# Altium PCB 滑板车模块 - 拼板.PcbDoc (part 8 of 8)
Units mm, origin at the board's own origin, x right, y up, seen from the top; angles counter-clockwise.
Board outline 16 x 13 mm, 2 copper layers (Top Layer, Bottom Layer); 420 components, 26 nets, 2088 pads, 620 vias.
Unrouted connection lines stored in the file: 114.
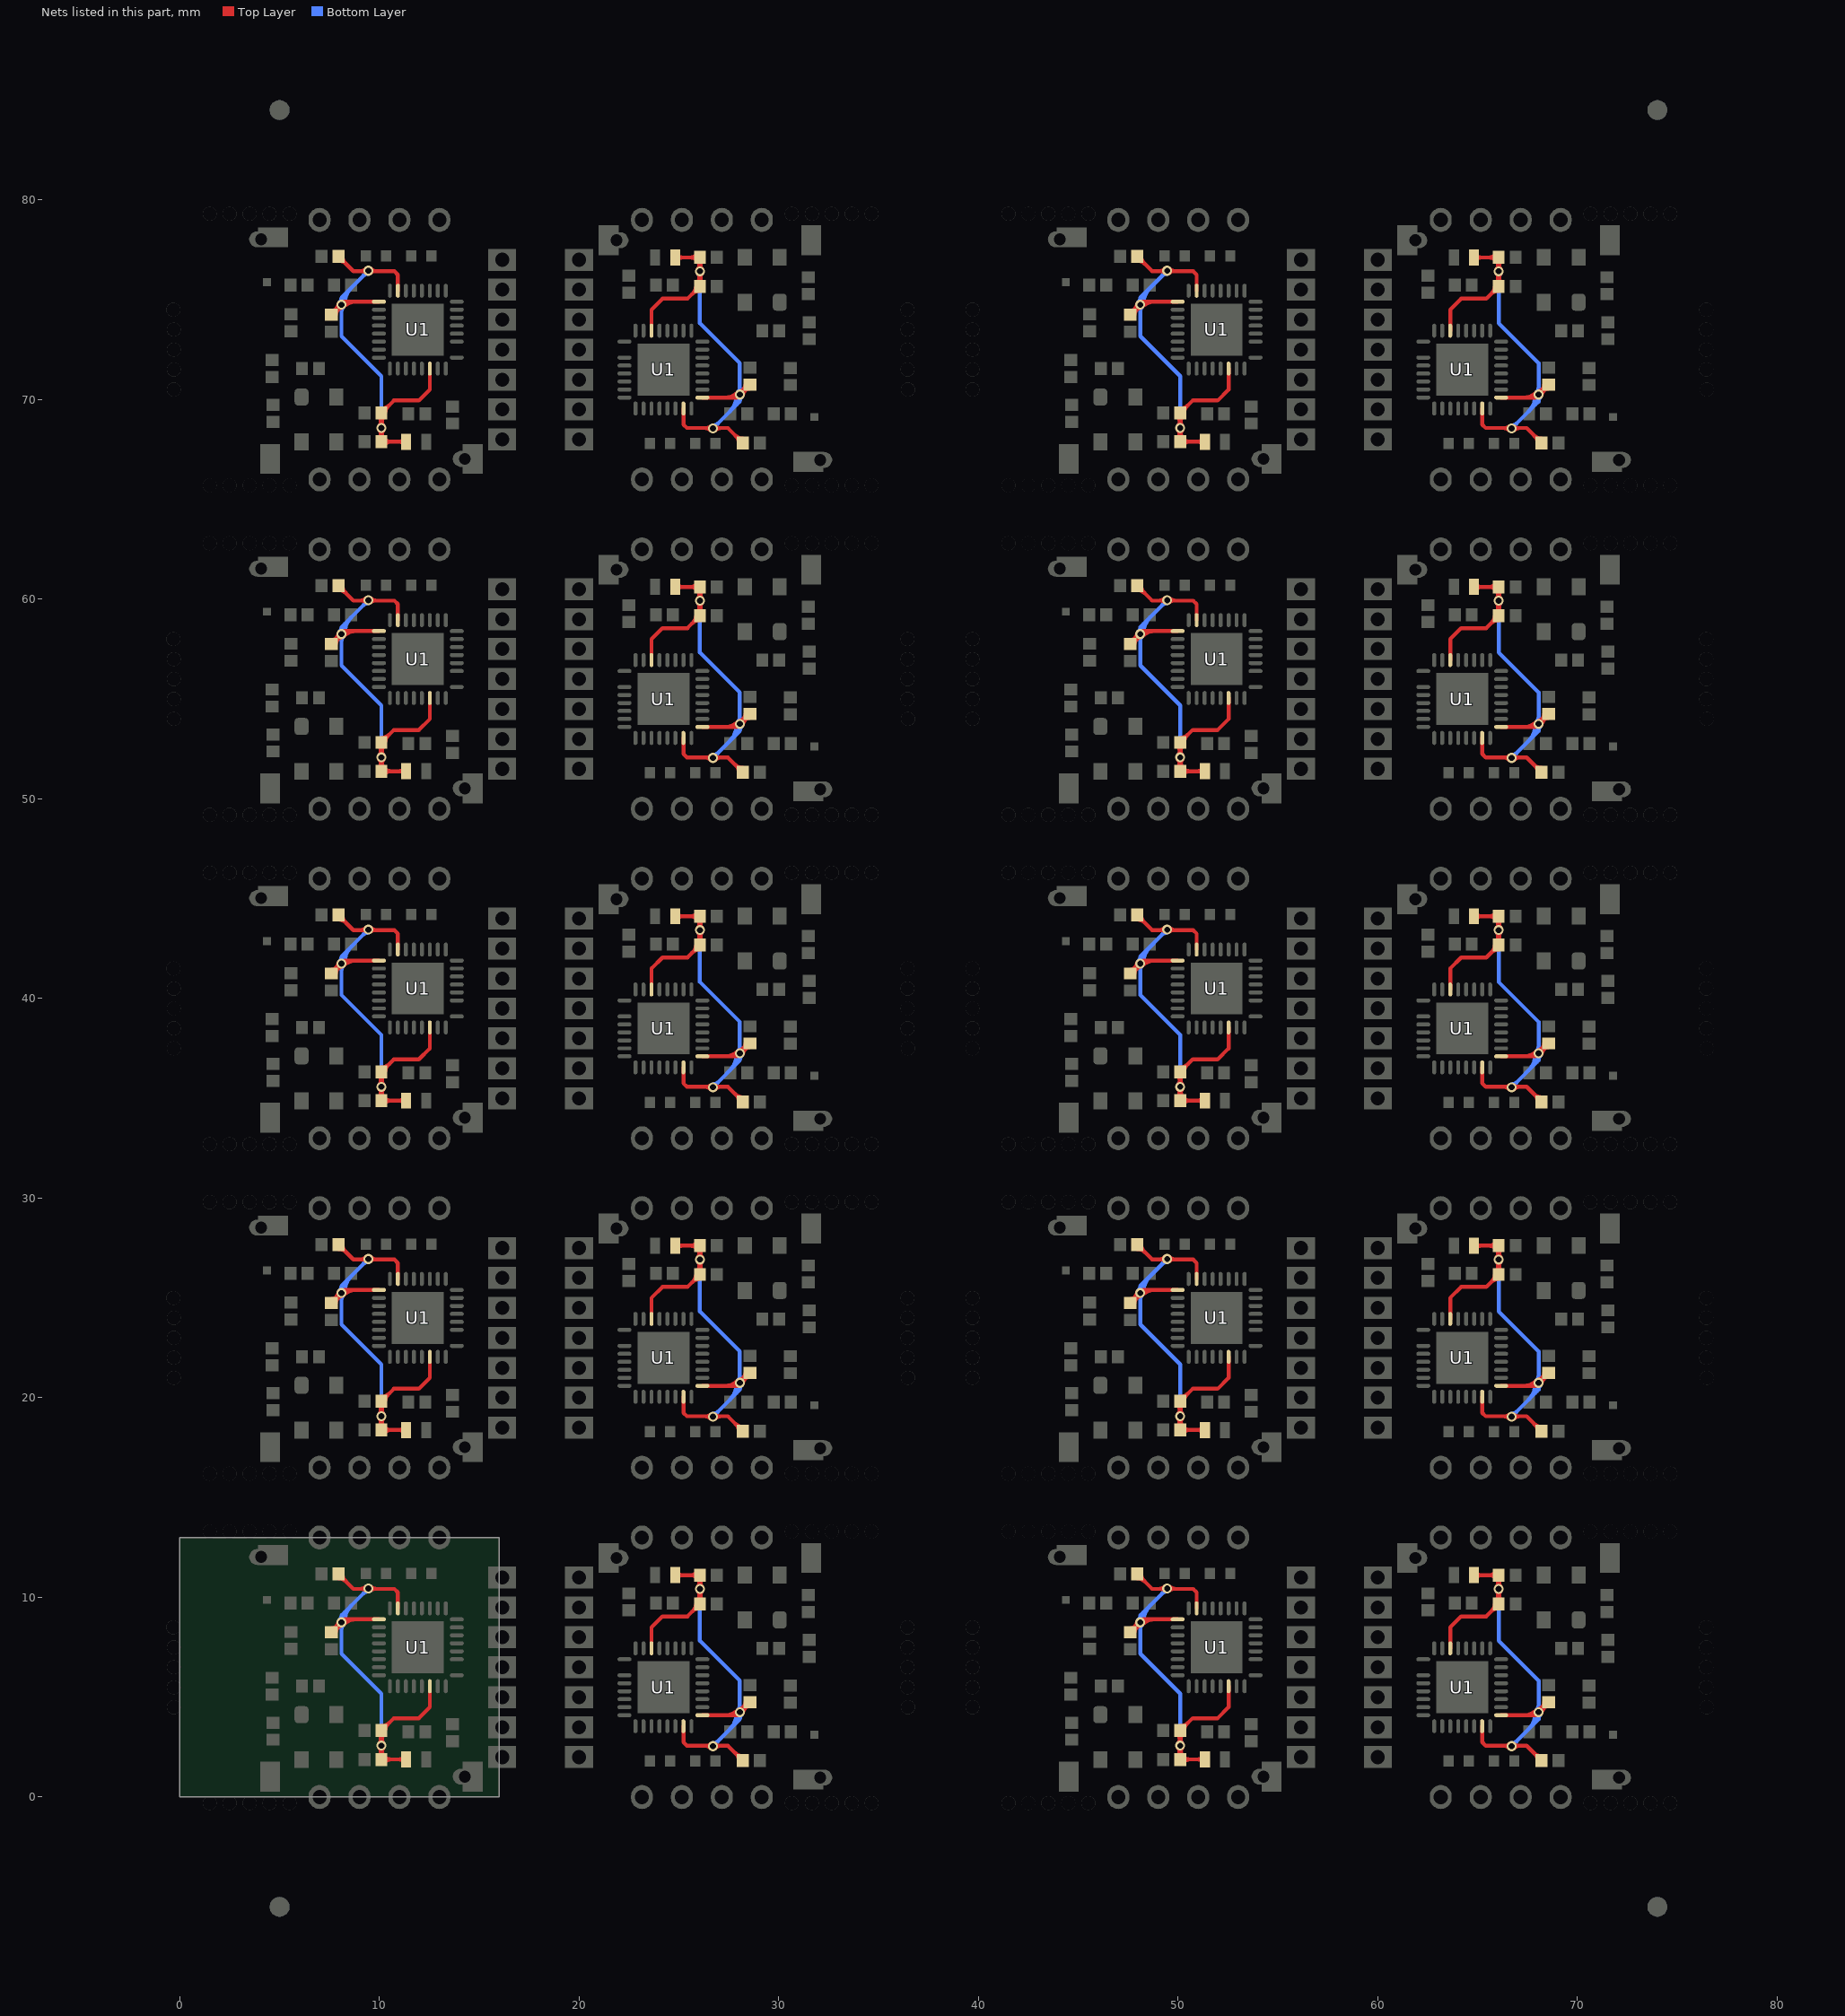
[diagram p8: the nets of this part, all layers, seen from the top]

## Via types
v1: diameter 0.5, hole 0.3, Top Layer to Bottom Layer, tented both sides, 620 vias

## Nets (pads, with @x,y where several pads share a name; then routed paths per layer and width w, separated by ;. In a path a pad name is that pad's centre, name@x,y a point inside that pad or via, vN(x,y) a via of type N, cw(c..) or ccw(c..) an arc to the next point about the centre after c; other vN are vias at no path point) (continued)
VD1V5: (continued)
  Bottom Layer w0.2: v1@7.994,8.644 cw(c7.738,8.388) 8.1,8.388 cw(c8.462,8.388) v1@8.206,8.644 ; v1@7.994,25.144 cw(c7.738,24.888) 8.1,24.888 cw(c8.462,24.888) v1@8.206,25.144 ; v1@7.994,41.644 cw(c7.738,41.388) 8.1,41.388 cw(c8.462,41.388) v1@8.206,41.644 ; v1@7.994,58.144 cw(c7.738,57.888) 8.1,57.888 cw(c8.462,57.888) v1@8.206,58.144 ; v1@7.994,74.644 cw(c7.738,74.388) 8.1,74.388 cw(c8.462,74.388) v1@8.206,74.644 ; v1@7.997,8.859 ccw(c7.767,9.1) 8.1,9.1 ; v1@7.997,25.359 ccw(c7.767,25.6) 8.1,25.6 ; v1@7.997,41.859 ccw(c7.767,42.1) 8.1,42.1 ; v1@7.997,58.359 ccw(c7.767,58.6) 8.1,58.6 ; v1@7.997,74.859 ccw(c7.767,75.1) 8.1,75.1 ; v1@8.05,8.75 cw(c8.774,8.75) 8.262,9.262 ; v1@8.05,25.25 cw(c8.774,25.25) 8.262,25.762 ; v1@8.05,41.75 cw(c8.774,41.75) 8.262,42.262 ; v1@8.05,58.25 cw(c8.774,58.25) 8.262,58.762 ; v1@8.05,74.75 cw(c8.774,74.75) 8.262,75.262 ; v1@8.203,8.859 cw(c8.433,9.1) 8.1,9.1 ; v1@8.203,25.359 cw(c8.433,25.6) 8.1,25.6 ; v1@8.203,41.859 cw(c8.433,42.1) 8.1,42.1 ; v1@8.203,58.359 cw(c8.433,58.6) 8.1,58.6 ; v1@8.203,74.859 cw(c8.433,75.1) 8.1,75.1 ; v1@8.25,8.75 cw(c9.457,8.75) 8.604,9.604 ; v1@8.25,25.25 cw(c9.457,25.25) 8.604,26.104 ; v1@8.25,41.75 cw(c9.457,41.75) 8.604,42.604 ; v1@8.25,58.25 cw(c9.457,58.25) 8.604,59.104 ; v1@8.25,74.75 cw(c9.457,74.75) 8.604,75.604 ; v1@9.3,10.45 cw(c8.938,10.45) 9.194,10.194 cw(c9.45,9.938) v1@9.45,10.3 ; v1@9.3,26.95 cw(c8.938,26.95) 9.194,26.694 cw(c9.45,26.438) v1@9.45,26.8 ; v1@9.3,43.45 cw(c8.938,43.45) 9.194,43.194 cw(c9.45,42.938) v1@9.45,43.3 ; v1@9.3,59.95 cw(c8.938,59.95) 9.194,59.694 cw(c9.45,59.438) v1@9.45,59.8 ; v1@9.3,76.45 cw(c8.938,76.45) 9.194,76.194 cw(c9.45,75.938) v1@9.45,76.3 ; v1(9.45,10.45) 8.1,9.1 ; v1(9.45,26.95) 8.1,25.6 ; v1(9.45,43.45) 8.1,42.1 ; v1(9.45,59.95) 8.1,58.6 ; v1(9.45,76.45) 8.1,75.1 ; v1@9.994,2.681 ccw(c9.738,2.937) 10.1,2.937 ccw(c10.462,2.937) v1@10.206,2.681 ; v1@9.994,19.181 ccw(c9.738,19.437) 10.1,19.437 ccw(c10.462,19.437) v1@10.206,19.181 ; v1@9.994,35.681 ccw(c9.738,35.937) 10.1,35.937 ccw(c10.462,35.937) v1@10.206,35.681 ; v1@9.994,52.181 ccw(c9.738,52.437) 10.1,52.437 ccw(c10.462,52.437) v1@10.206,52.181 ; v1@9.994,68.681 ccw(c9.738,68.937) 10.1,68.937 ccw(c10.462,68.937) v1@10.206,68.681 ; v1(10.1,2.575) 10.1,5.175 8.1,7.175 v1(8.1,8.75) 8.1,9.1 ; v1(10.1,19.075) 10.1,21.675 8.1,23.675 v1(8.1,25.25) 8.1,25.6 ; v1(10.1,35.575) 10.1,38.175 8.1,40.175 v1(8.1,41.75) 8.1,42.1 ; v1(10.1,52.075) 10.1,54.675 8.1,56.675 v1(8.1,58.25) 8.1,58.6 ; v1(10.1,68.575) 10.1,71.175 8.1,73.175 v1(8.1,74.75) 8.1,75.1 ; v1@25.944,10.319 cw(c25.688,10.063) 26.05,10.063 cw(c26.412,10.063) v1@26.156,10.319 ; v1@25.944,26.819 cw(c25.688,26.563) 26.05,26.563 cw(c26.412,26.563) v1@26.156,26.819 ; v1@25.944,43.319 cw(c25.688,43.063) 26.05,43.063 cw(c26.412,43.063) v1@26.156,43.319 ; v1@25.944,59.819 cw(c25.688,59.563) 26.05,59.563 cw(c26.412,59.563) v1@26.156,59.819 ; v1@25.944,76.319 cw(c25.688,76.063) 26.05,76.063 cw(c26.412,76.063) v1@26.156,76.319 ; v1(26.05,10.425) 26.05,7.825 28.05,5.825 v1(28.05,4.25) 28.05,3.9 ; v1(26.05,26.925) 26.05,24.325 28.05,22.325 v1(28.05,20.75) 28.05,20.4 ; v1(26.05,43.425) 26.05,40.825 28.05,38.825 v1(28.05,37.25) 28.05,36.9 ; v1(26.05,59.925) 26.05,57.325 28.05,55.325 v1(28.05,53.75) 28.05,53.4 ; v1(26.05,76.425) 26.05,73.825 28.05,71.825 v1(28.05,70.25) 28.05,69.9 ; v1(26.7,2.55) 28.05,3.9 ; v1@26.7,2.7 ccw(c26.7,3.062) 26.956,2.806 ccw(c27.212,2.55) v1@26.85,2.55 ; v1(26.7,19.05) 28.05,20.4 ; v1@26.7,19.2 ccw(c26.7,19.562) 26.956,19.306 ccw(c27.212,19.05) v1@26.85,19.05 ; v1(26.7,35.55) 28.05,36.9 ; v1@26.7,35.7 ccw(c26.7,36.062) 26.956,35.806 ccw(c27.212,35.55) v1@26.85,35.55 ; v1(26.7,52.05) 28.05,53.4 ; v1@26.7,52.2 ccw(c26.7,52.562) 26.956,52.306 ccw(c27.212,52.05) v1@26.85,52.05 ; v1(26.7,68.55) 28.05,69.9 ; v1@26.7,68.7 ccw(c26.7,69.062) 26.956,68.806 ccw(c27.212,68.55) v1@26.85,68.55 ; 27.546,3.396 ccw(c26.693,4.25) v1@27.9,4.25 ; 27.546,19.896 ccw(c26.693,20.75) v1@27.9,20.75 ; 27.546,36.396 ccw(c26.693,37.25) v1@27.9,37.25 ; 27.546,52.896 ccw(c26.693,53.75) v1@27.9,53.75 ; 27.546,69.396 ccw(c26.693,70.25) v1@27.9,70.25 ; 27.888,3.738 ccw(c27.376,4.25) v1@28.1,4.25 ; 27.888,20.238 ccw(c27.376,20.75) v1@28.1,20.75 ; 27.888,36.738 ccw(c27.376,37.25) v1@28.1,37.25 ; 27.888,53.238 ccw(c27.376,53.75) v1@28.1,53.75 ; 27.888,69.738 ccw(c27.376,70.25) v1@28.1,70.25 ; v1@27.944,4.356 ccw(c27.688,4.612) 28.05,4.612 ccw(c28.412,4.612) v1@28.156,4.356 ; v1@27.944,20.856 ccw(c27.688,21.112) 28.05,21.112 ccw(c28.412,21.112) v1@28.156,20.856 ; v1@27.944,37.356 ccw(c27.688,37.612) 28.05,37.612 ccw(c28.412,37.612) v1@28.156,37.356 ; v1@27.944,53.856 ccw(c27.688,54.112) 28.05,54.112 ccw(c28.412,54.112) v1@28.156,53.856 ; v1@27.944,70.356 ccw(c27.688,70.612) 28.05,70.612 ccw(c28.412,70.612) v1@28.156,70.356 ; v1@27.947,4.141 cw(c27.717,3.9) 28.05,3.9 ; v1@27.947,20.641 cw(c27.717,20.4) 28.05,20.4 ; v1@27.947,37.141 cw(c27.717,36.9) 28.05,36.9 ; v1@27.947,53.641 cw(c27.717,53.4) 28.05,53.4 ; v1@27.947,70.141 cw(c27.717,69.9) 28.05,69.9 ; v1@28.153,4.141 ccw(c28.383,3.9) 28.05,3.9 ; v1@28.153,20.641 ccw(c28.383,20.4) 28.05,20.4 ; v1@28.153,37.141 ccw(c28.383,36.9) 28.05,36.9 ; v1@28.153,53.641 ccw(c28.383,53.4) 28.05,53.4 ; v1@28.153,70.141 ccw(c28.383,69.9) 28.05,69.9 ; v1@47.994,8.644 cw(c47.738,8.388) 48.1,8.388 cw(c48.462,8.388) v1@48.206,8.644 ; v1@47.994,25.144 cw(c47.738,24.888) 48.1,24.888 cw(c48.462,24.888) v1@48.206,25.144 ; v1@47.994,41.644 cw(c47.738,41.388) 48.1,41.388 cw(c48.462,41.388) v1@48.206,41.644 ; v1@47.994,58.144 cw(c47.738,57.888) 48.1,57.888 cw(c48.462,57.888) v1@48.206,58.144 ; v1@47.994,74.644 cw(c47.738,74.388) 48.1,74.388 cw(c48.462,74.388) v1@48.206,74.644 ; v1@47.997,8.859 ccw(c47.767,9.1) 48.1,9.1 ; v1@47.997,25.359 ccw(c47.767,25.6) 48.1,25.6 ; v1@47.997,41.859 ccw(c47.767,42.1) 48.1,42.1 ; v1@47.997,58.359 ccw(c47.767,58.6) 48.1,58.6 ; v1@47.997,74.859 ccw(c47.767,75.1) 48.1,75.1 ; v1@48.05,8.75 cw(c48.774,8.75) 48.262,9.262 ; v1@48.05,25.25 cw(c48.774,25.25) 48.262,25.762 ; v1@48.05,41.75 cw(c48.774,41.75) 48.262,42.262 ; v1@48.05,58.25 cw(c48.774,58.25) 48.262,58.762 ; v1@48.05,74.75 cw(c48.774,74.75) 48.262,75.262 ; v1@48.203,8.859 cw(c48.433,9.1) 48.1,9.1 ; v1@48.203,25.359 cw(c48.433,25.6) 48.1,25.6 ; v1@48.203,41.859 cw(c48.433,42.1) 48.1,42.1 ; v1@48.203,58.359 cw(c48.433,58.6) 48.1,58.6 ; v1@48.203,74.859 cw(c48.433,75.1) 48.1,75.1 ; v1@48.25,8.75 cw(c49.457,8.75) 48.604,9.604 ; v1@48.25,25.25 cw(c49.457,25.25) 48.604,26.104 ; v1@48.25,41.75 cw(c49.457,41.75) 48.604,42.604 ; v1@48.25,58.25 cw(c49.457,58.25) 48.604,59.104 ; v1@48.25,74.75 cw(c49.457,74.75) 48.604,75.604 ; v1@49.3,10.45 cw(c48.938,10.45) 49.194,10.194 cw(c49.45,9.938) v1@49.45,10.3 ; v1@49.3,26.95 cw(c48.938,26.95) 49.194,26.694 cw(c49.45,26.438) v1@49.45,26.8 ; v1@49.3,43.45 cw(c48.938,43.45) 49.194,43.194 cw(c49.45,42.938) v1@49.45,43.3 ; v1@49.3,59.95 cw(c48.938,59.95) 49.194,59.694 cw(c49.45,59.438) v1@49.45,59.8 ; v1@49.3,76.45 cw(c48.938,76.45) 49.194,76.194 cw(c49.45,75.938) v1@49.45,76.3 ; v1(49.45,10.45) 48.1,9.1 ; v1(49.45,26.95) 48.1,25.6 ; v1(49.45,43.45) 48.1,42.1 ; v1(49.45,59.95) 48.1,58.6 ; v1(49.45,76.45) 48.1,75.1 ; v1@49.994,2.681 ccw(c49.738,2.937) 50.1,2.937 ccw(c50.462,2.937) v1@50.206,2.681 ; v1@49.994,19.181 ccw(c49.738,19.437) 50.1,19.437 ccw(c50.462,19.437) v1@50.206,19.181 ; v1@49.994,35.681 ccw(c49.738,35.937) 50.1,35.937 ccw(c50.462,35.937) v1@50.206,35.681 ; v1@49.994,52.181 ccw(c49.738,52.437) 50.1,52.437 ccw(c50.462,52.437) v1@50.206,52.181 ; v1@49.994,68.681 ccw(c49.738,68.937) 50.1,68.937 ccw(c50.462,68.937) v1@50.206,68.681 ; v1(50.1,2.575) 50.1,5.175 48.1,7.175 v1(48.1,8.75) 48.1,9.1 ; v1(50.1,19.075) 50.1,21.675 48.1,23.675 v1(48.1,25.25) 48.1,25.6 ; v1(50.1,35.575) 50.1,38.175 48.1,40.175 v1(48.1,41.75) 48.1,42.1 ; v1(50.1,52.075) 50.1,54.675 48.1,56.675 v1(48.1,58.25) 48.1,58.6 ; v1(50.1,68.575) 50.1,71.175 48.1,73.175 v1(48.1,74.75) 48.1,75.1 ; v1@65.944,10.319 cw(c65.688,10.063) 66.05,10.063 cw(c66.412,10.063) v1@66.156,10.319 ; v1@65.944,26.819 cw(c65.688,26.563) 66.05,26.563 cw(c66.412,26.563) v1@66.156,26.819 ; v1@65.944,43.319 cw(c65.688,43.063) 66.05,43.063 cw(c66.412,43.063) v1@66.156,43.319 ; v1@65.944,59.819 cw(c65.688,59.563) 66.05,59.563 cw(c66.412,59.563) v1@66.156,59.819 ; v1@65.944,76.319 cw(c65.688,76.063) 66.05,76.063 cw(c66.412,76.063) v1@66.156,76.319 ; v1(66.05,10.425) 66.05,7.825 68.05,5.825 v1(68.05,4.25) 68.05,3.9 ; v1(66.05,26.925) 66.05,24.325 68.05,22.325 v1(68.05,20.75) 68.05,20.4 ; v1(66.05,43.425) 66.05,40.825 68.05,38.825 v1(68.05,37.25) 68.05,36.9 ; v1(66.05,59.925) 66.05,57.325 68.05,55.325 v1(68.05,53.75) 68.05,53.4 ; v1(66.05,76.425) 66.05,73.825 68.05,71.825 v1(68.05,70.25) 68.05,69.9 ; v1(66.7,2.55) 68.05,3.9 ; v1@66.7,2.7 ccw(c66.7,3.062) 66.956,2.806 ccw(c67.212,2.55) v1@66.85,2.55 ; v1(66.7,19.05) 68.05,20.4 ; v1@66.7,19.2 ccw(c66.7,19.562) 66.956,19.306 ccw(c67.212,19.05) v1@66.85,19.05 ; v1(66.7,35.55) 68.05,36.9 ; v1@66.7,35.7 ccw(c66.7,36.062) 66.956,35.806 ccw(c67.212,35.55) v1@66.85,35.55 ; v1(66.7,52.05) 68.05,53.4 ; v1@66.7,52.2 ccw(c66.7,52.562) 66.956,52.306 ccw(c67.212,52.05) v1@66.85,52.05 ; v1(66.7,68.55) 68.05,69.9 ; v1@66.7,68.7 ccw(c66.7,69.062) 66.956,68.806 ccw(c67.212,68.55) v1@66.85,68.55 ; 67.546,3.396 ccw(c66.693,4.25) v1@67.9,4.25 ; 67.546,19.896 ccw(c66.693,20.75) v1@67.9,20.75 ; 67.546,36.396 ccw(c66.693,37.25) v1@67.9,37.25 ; 67.546,52.896 ccw(c66.693,53.75) v1@67.9,53.75 ; 67.546,69.396 ccw(c66.693,70.25) v1@67.9,70.25 ; 67.888,3.738 ccw(c67.376,4.25) v1@68.1,4.25 ; 67.888,20.238 ccw(c67.376,20.75) v1@68.1,20.75 ; 67.888,36.738 ccw(c67.376,37.25) v1@68.1,37.25 ; 67.888,53.238 ccw(c67.376,53.75) v1@68.1,53.75 ; 67.888,69.738 ccw(c67.376,70.25) v1@68.1,70.25 ; v1@67.944,4.356 ccw(c67.688,4.612) 68.05,4.612 ccw(c68.412,4.612) v1@68.156,4.356 ; v1@67.944,20.856 ccw(c67.688,21.112) 68.05,21.112 ccw(c68.412,21.112) v1@68.156,20.856 ; v1@67.944,37.356 ccw(c67.688,37.612) 68.05,37.612 ccw(c68.412,37.612) v1@68.156,37.356 ; v1@67.944,53.856 ccw(c67.688,54.112) 68.05,54.112 ccw(c68.412,54.112) v1@68.156,53.856 ; v1@67.944,70.356 ccw(c67.688,70.612) 68.05,70.612 ccw(c68.412,70.612) v1@68.156,70.356 ; v1@67.947,4.141 cw(c67.717,3.9) 68.05,3.9 ; v1@67.947,20.641 cw(c67.717,20.4) 68.05,20.4 ; v1@67.947,37.141 cw(c67.717,36.9) 68.05,36.9 ; v1@67.947,53.641 cw(c67.717,53.4) 68.05,53.4 ; v1@67.947,70.141 cw(c67.717,69.9) 68.05,69.9 ; v1@68.153,4.141 ccw(c68.383,3.9) 68.05,3.9 ; v1@68.153,20.641 ccw(c68.383,20.4) 68.05,20.4 ; v1@68.153,37.141 ccw(c68.383,36.9) 68.05,36.9 ; v1@68.153,53.641 ccw(c68.383,53.4) 68.05,53.4 ; v1@68.153,70.141 ccw(c68.383,69.9) 68.05,69.9
pads on no net: U1.0 U1.4 U1.12 U1.13 U1.14 U1.15 U1.17 U1.21 U1.26 U1.27 U1.28 U1.29 U1.30

## Polygon pours and split planes (outlines as drawn)
GND on Top Layer "Top Layer-No Net" (solid, remove dead copper, pour order 70): 76.15,66 76.15,79 60,79 60,66
GND on Top Layer "Top Layer-No Net" (solid, remove dead copper, pour order 71): 76.15,49.5 76.15,62.5 60,62.5 60,49.5
GND on Top Layer "Top Layer-No Net" (solid, remove dead copper, pour order 72): 76.15,33 76.15,46 60,46 60,33
GND on Top Layer "Top Layer-No Net" (solid, remove dead copper, pour order 73): 76.15,16.5 76.15,29.5 60,29.5 60,16.5
GND on Top Layer "Top Layer-No Net" (solid, remove dead copper, pour order 74): 76.15,0 76.15,13 60,13 60,0
GND on Top Layer "Top Layer-No Net" (solid, remove dead copper, pour order 75): 36.15,66 36.15,79 20,79 20,66
GND on Top Layer "Top Layer-No Net" (solid, remove dead copper, pour order 76): 36.15,49.5 36.15,62.5 20,62.5 20,49.5
GND on Top Layer "Top Layer-No Net" (solid, remove dead copper, pour order 77): 36.15,33 36.15,46 20,46 20,33
GND on Top Layer "Top Layer-No Net" (solid, remove dead copper, pour order 78): 36.15,16.5 36.15,29.5 20,29.5 20,16.5
GND on Top Layer "Top Layer-No Net" (solid, remove dead copper, pour order 79): 36.15,0 36.15,13 20,13 20,0
GND on Top Layer "Top Layer-No Net" (solid, remove dead copper, pour order 61): 40,79 40,66 56.15,66 56.15,79
GND on Top Layer "Top Layer-No Net" (solid, remove dead copper, pour order 62): 40,62.5 40,49.5 56.15,49.5 56.15,62.5
GND on Top Layer "Top Layer-No Net" (solid, remove dead copper, pour order 63): 40,46 40,33 56.15,33 56.15,46
GND on Top Layer "Top Layer-No Net" (solid, remove dead copper, pour order 64): 40,29.5 40,16.5 56.15,16.5 56.15,29.5
GND on Top Layer "Top Layer-No Net" (solid, remove dead copper, pour order 65): 40,13 40,0 56.15,0 56.15,13
GND on Top Layer "Top Layer-No Net" (solid, remove dead copper, pour order 66): 0,79 0,66 16.15,66 16.15,79
GND on Top Layer "Top Layer-No Net" (solid, remove dead copper, pour order 67): 0,62.5 0,49.5 16.15,49.5 16.15,62.5
GND on Top Layer "Top Layer-No Net" (solid, remove dead copper, pour order 68): 0,46 0,33 16.15,33 16.15,46
GND on Top Layer "Top Layer-No Net" (solid, remove dead copper, pour order 69): 0,29.5 0,16.5 16.15,16.5 16.15,29.5
GND on Top Layer "Top Layer-No Net" (solid, remove dead copper, pour order 80): 0,13 0,0 16.15,0 16.15,13
GND on Bottom Layer "Top Layer-No Net" (solid, remove dead copper, pour order 50): 76.15,79 60,79 60,66 76.15,66
GND on Bottom Layer "Top Layer-No Net" (solid, remove dead copper, pour order 51): 76.15,62.5 60,62.5 60,49.5 76.15,49.5
GND on Bottom Layer "Top Layer-No Net" (solid, remove dead copper, pour order 52): 76.15,46 60,46 60,33 76.15,33
GND on Bottom Layer "Top Layer-No Net" (solid, remove dead copper, pour order 53): 76.15,29.5 60,29.5 60,16.5 76.15,16.5
GND on Bottom Layer "Top Layer-No Net" (solid, remove dead copper, pour order 54): 76.15,13 60,13 60,0 76.15,0
GND on Bottom Layer "Top Layer-No Net" (solid, remove dead copper, pour order 55): 36.15,79 20,79 20,66 36.15,66
GND on Bottom Layer "Top Layer-No Net" (solid, remove dead copper, pour order 56): 36.15,62.5 20,62.5 20,49.5 36.15,49.5
GND on Bottom Layer "Top Layer-No Net" (solid, remove dead copper, pour order 57): 36.15,46 20,46 20,33 36.15,33
GND on Bottom Layer "Top Layer-No Net" (solid, remove dead copper, pour order 58): 36.15,29.5 20,29.5 20,16.5 36.15,16.5
GND on Bottom Layer "Top Layer-No Net" (solid, remove dead copper, pour order 59): 36.15,13 20,13 20,0 36.15,0
GND on Bottom Layer "Top Layer-No Net" (solid, remove dead copper, pour order 41): 40,66 56.15,66 56.15,79 40,79
GND on Bottom Layer "Top Layer-No Net" (solid, remove dead copper, pour order 42): 40,49.5 56.15,49.5 56.15,62.5 40,62.5
GND on Bottom Layer "Top Layer-No Net" (solid, remove dead copper, pour order 43): 40,33 56.15,33 56.15,46 40,46
GND on Bottom Layer "Top Layer-No Net" (solid, remove dead copper, pour order 44): 40,16.5 56.15,16.5 56.15,29.5 40,29.5
GND on Bottom Layer "Top Layer-No Net" (solid, remove dead copper, pour order 45): 40,0 56.15,0 56.15,13 40,13
GND on Bottom Layer "Top Layer-No Net" (solid, remove dead copper, pour order 46): 0,66 16.15,66 16.15,79 0,79
GND on Bottom Layer "Top Layer-No Net" (solid, remove dead copper, pour order 47): 0,49.5 16.15,49.5 16.15,62.5 0,62.5
GND on Bottom Layer "Top Layer-No Net" (solid, remove dead copper, pour order 48): 0,33 16.15,33 16.15,46 0,46
GND on Bottom Layer "Top Layer-No Net" (solid, remove dead copper, pour order 49): 0,16.5 16.15,16.5 16.15,29.5 0,29.5
GND on Bottom Layer "Top Layer-No Net" (solid, remove dead copper, pour order 60): 0,0 16.15,0 16.15,13 0,13

## Keep-outs
Keep-Out Layer:
  lines w0.127: -3,4.5 0,4.5 0,8.5 -3,8.5 ; -3,21 0,21 0,25 -3,25 ; -3,37.5 0,37.5 0,41.5 -3,41.5 ; -3,54 0,54 0,58 -3,58 ; -3,70.5 0,70.5 0,74.5 -3,74.5 ; 79.15,4.5 76.15,4.5 76.15,8.5 79.15,8.5 ; 79.15,21 76.15,21 76.15,25 79.15,25 ; 79.15,37.5 76.15,37.5 76.15,41.5 79.15,41.5 ; 79.15,54 76.15,54 76.15,58 79.15,58 ; 79.15,70.5 76.15,70.5 76.15,74.5 79.15,74.5 ; 30.65,0 30.65,-3 34.65,-3 34.65,0 30.65,0 ; 30.65,0 36.15,0 ; 30.65,13 34.65,13 34.65,16.5 30.65,16.5 ; 30.65,13 30.65,16.5 ; 30.65,13 36.15,13 ; 30.65,16.5 36.15,16.5 ; 30.65,29.5 34.65,29.5 34.65,33 30.65,33 ; 30.65,29.5 30.65,33 ; 30.65,29.5 36.15,29.5 ; 30.65,33 36.15,33 ; 30.65,46 34.65,46 34.65,49.5 30.65,49.5 ; 30.65,46 30.65,49.5 ; 30.65,46 36.15,46 ; 30.65,49.5 36.15,49.5 ; 30.65,62.5 34.65,62.5 34.65,66 30.65,66 ; 30.65,62.5 30.65,66 ; 30.65,62.5 36.15,62.5 ; 30.65,66 36.15,66 ; 30.65,79 34.65,79 34.65,82 30.65,82 30.65,79 ; 30.65,79 36.15,79 ; 36.15,0 20,0 20,13 36.15,13 ; 36.15,0 36.15,13 ; 36.15,16.5 20,16.5 20,29.5 36.15,29.5 ; 36.15,16.5 36.15,29.5 ; 36.15,33 20,33 20,46 36.15,46 ; 36.15,33 36.15,46 ; 36.15,49.5 20,49.5 20,62.5 36.15,62.5 ; 36.15,49.5 36.15,62.5 ; 36.15,66 20,66 20,79 36.15,79 ; 36.15,66 36.15,79 ; 70.65,0 74.65,0 74.65,-3 70.65,-3 70.65,0 ; 70.65,0 76.15,0 ; 70.65,13 74.65,13 74.65,16.5 70.65,16.5 ; 70.65,13 70.65,16.5 ; 70.65,13 76.15,13 ; 70.65,16.5 76.15,16.5 ; 70.65,29.5 74.65,29.5 74.65,33 70.65,33 ; 70.65,29.5 70.65,33 ; 70.65,29.5 76.15,29.5 ; 70.65,33 76.15,33 ; 70.65,46 74.65,46 74.65,49.5 70.65,49.5 ; 70.65,46 70.65,49.5 ; 70.65,46 76.15,46 ; 70.65,49.5 76.15,49.5 ; 70.65,62.5 74.65,62.5 74.65,66 70.65,66 ; 70.65,62.5 70.65,66 ; 70.65,62.5 76.15,62.5 ; 70.65,66 76.15,66 ; 76.15,0 60,0 60,13 76.15,13 ; 76.15,0 76.15,13 ; 76.15,16.5 60,16.5 60,29.5 76.15,29.5 ; 76.15,16.5 76.15,29.5 ; 76.15,33 60,33 60,46 76.15,46 ; 76.15,33 76.15,46 ; 76.15,49.5 60,49.5 60,62.5 76.15,62.5 ; 76.15,49.5 76.15,62.5 ; 76.15,66 60,66 60,79 76.15,79 76.15,66 ; -5,-8 -5,87 81.15,87 81.15,-8 -5,-8 ; -3,-3 -3,82 79.15,82 79.15,-3 -3,-3 ; 0,0 0,13 16.15,13 16.15,0 0,0 ; 0,16.5 0,29.5 16.15,29.5 16.15,16.5 0,16.5 ; 0,33 0,46 16.15,46 16.15,33 0,33 ; 0,49.5 0,62.5 16.15,62.5 16.15,49.5 0,49.5 ; 0,66 0,79 16.15,79 16.15,66 0,66 ; 1.5,-3 5.5,-3 5.5,0 1.5,0 1.5,-3 ; 1.5,13 5.5,13 5.5,16.5 1.5,16.5 1.5,13 ; 1.5,29.5 1.5,33 5.5,33 5.5,29.5 1.5,29.5 ; 1.5,46 1.5,49.5 5.5,49.5 5.5,46 1.5,46 ; 1.5,62.5 1.5,66 5.5,66 5.5,62.5 1.5,62.5 ; 1.5,79 5.5,79 5.5,82 1.5,82 1.5,79 ; 36.15,4.5 36.15,8.5 40,8.5 40,4.5 36.15,4.5 ; 36.15,21 40,21 40,25 36.15,25 36.15,21 ; 36.15,37.5 40,37.5 40,41.5 36.15,41.5 36.15,37.5 ; 36.15,54 40,54 40,58 36.15,58 36.15,54 ; 36.15,70.5 40,70.5 40,74.5 36.15,74.5 36.15,70.5 ; 40,0 40,13 56.15,13 56.15,0 40,0 ; 40,16.5 40,29.5 56.15,29.5 56.15,16.5 40,16.5 ; 40,33 40,46 56.15,46 56.15,33 40,33 ; 40,49.5 40,62.5 56.15,62.5 56.15,49.5 40,49.5 ; 40,66 40,79 56.15,79 56.15,66 40,66 ; 41.5,-3 41.5,0 45.5,0 45.5,-3 41.5,-3 ; 41.5,13 41.5,16.5 45.5,16.5 45.5,13 41.5,13 ; 41.5,29.5 41.5,33 45.5,33 45.5,29.5 41.5,29.5 ; 41.5,46 41.5,49.5 45.5,49.5 45.5,46 41.5,46 ; 41.5,62.5 41.5,66 45.5,66 45.5,62.5 41.5,62.5 ; 41.5,79 45.5,79 45.5,82 41.5,82 41.5,79 ; 70.65,79 70.65,82 74.65,82 74.65,79 70.65,79